# KiCad board PacificSound.kicad_pcb
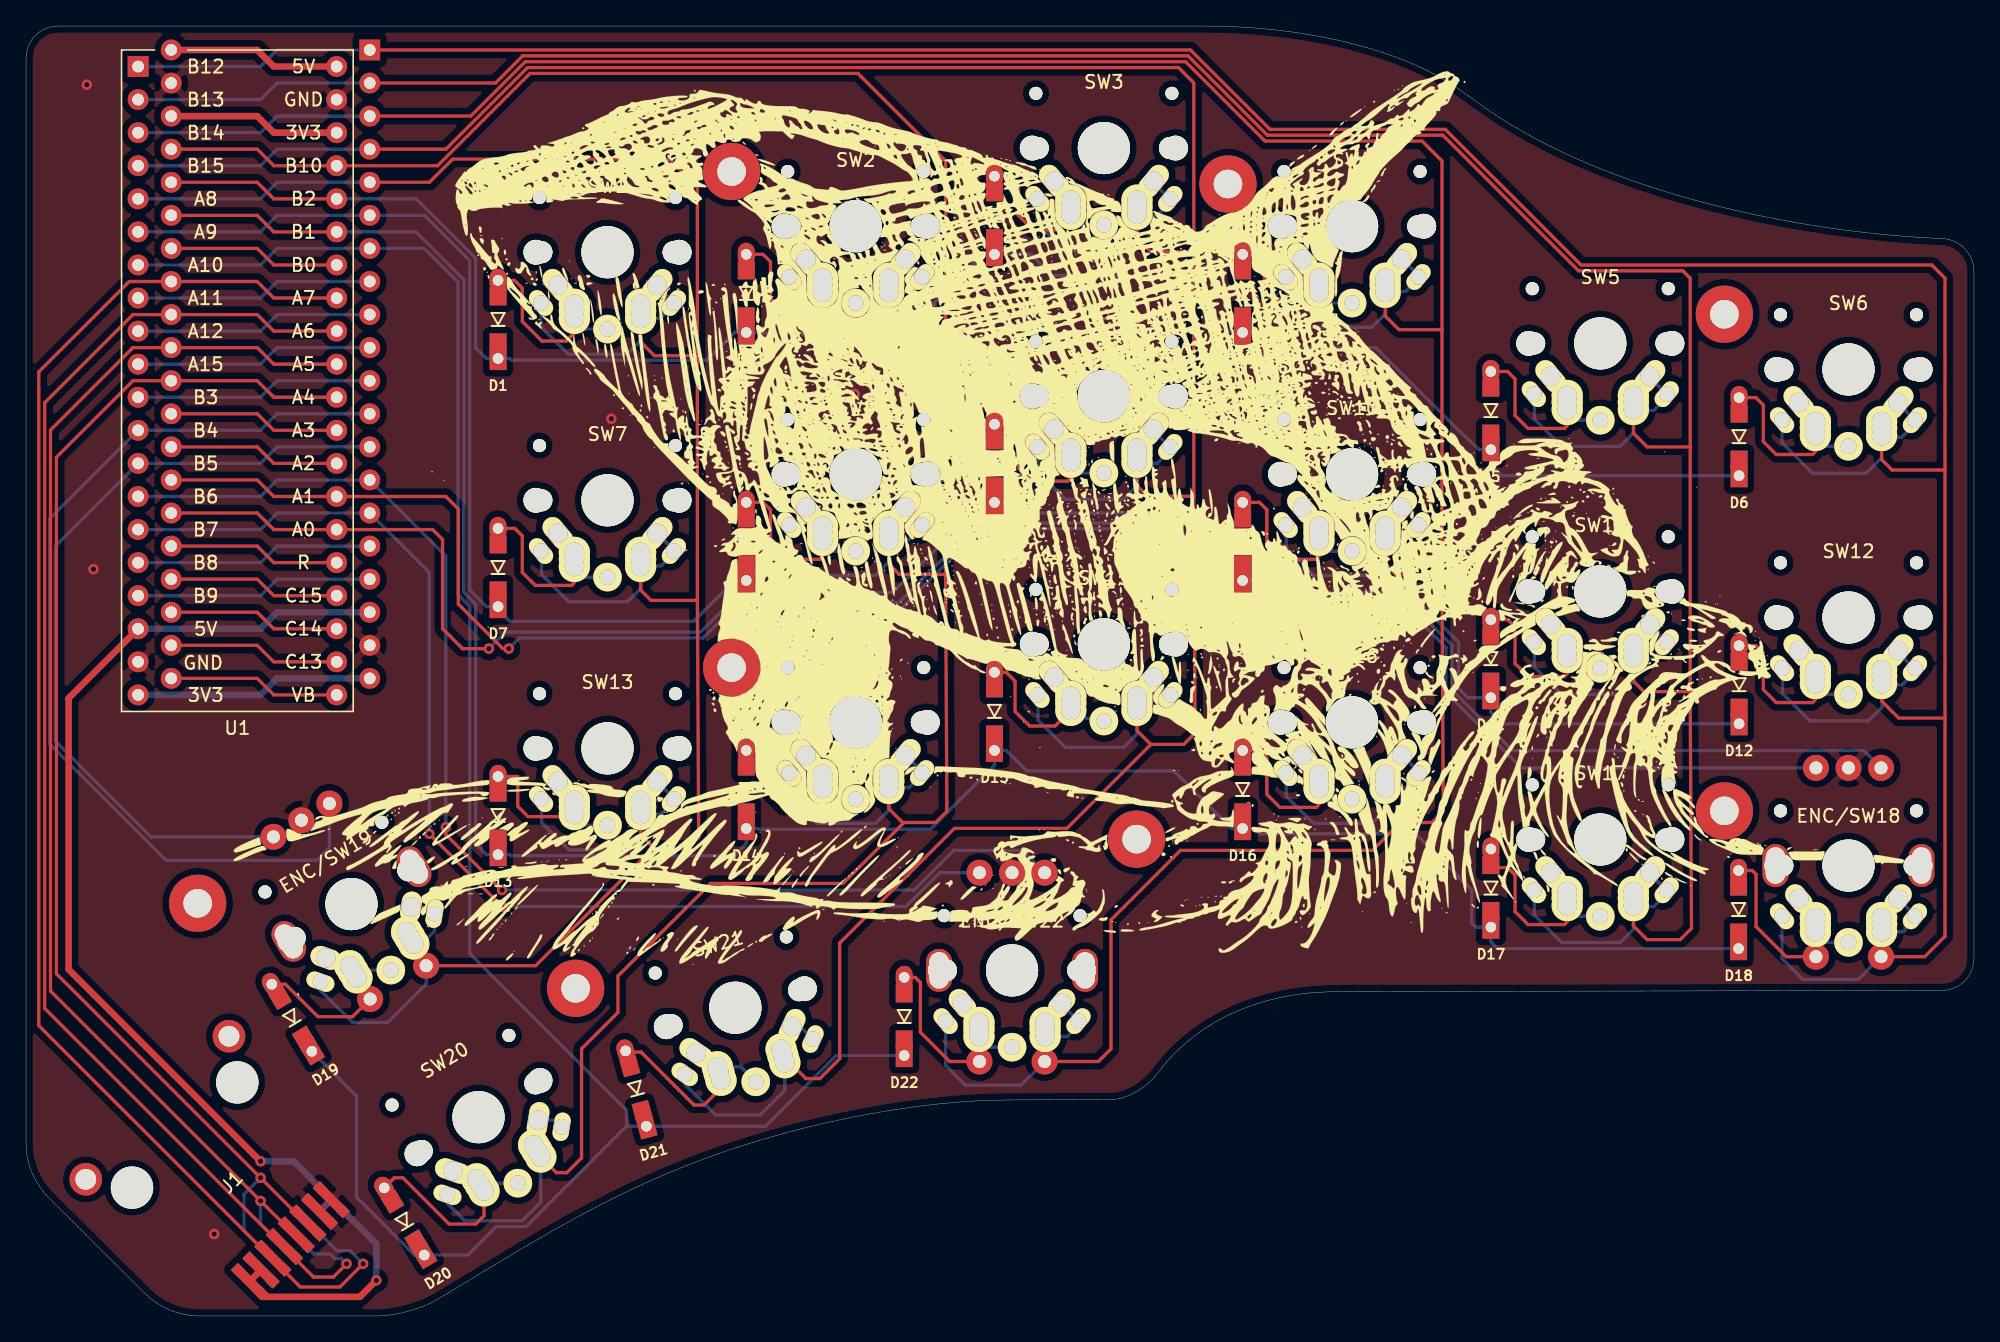
[diagram p0: board, top side]
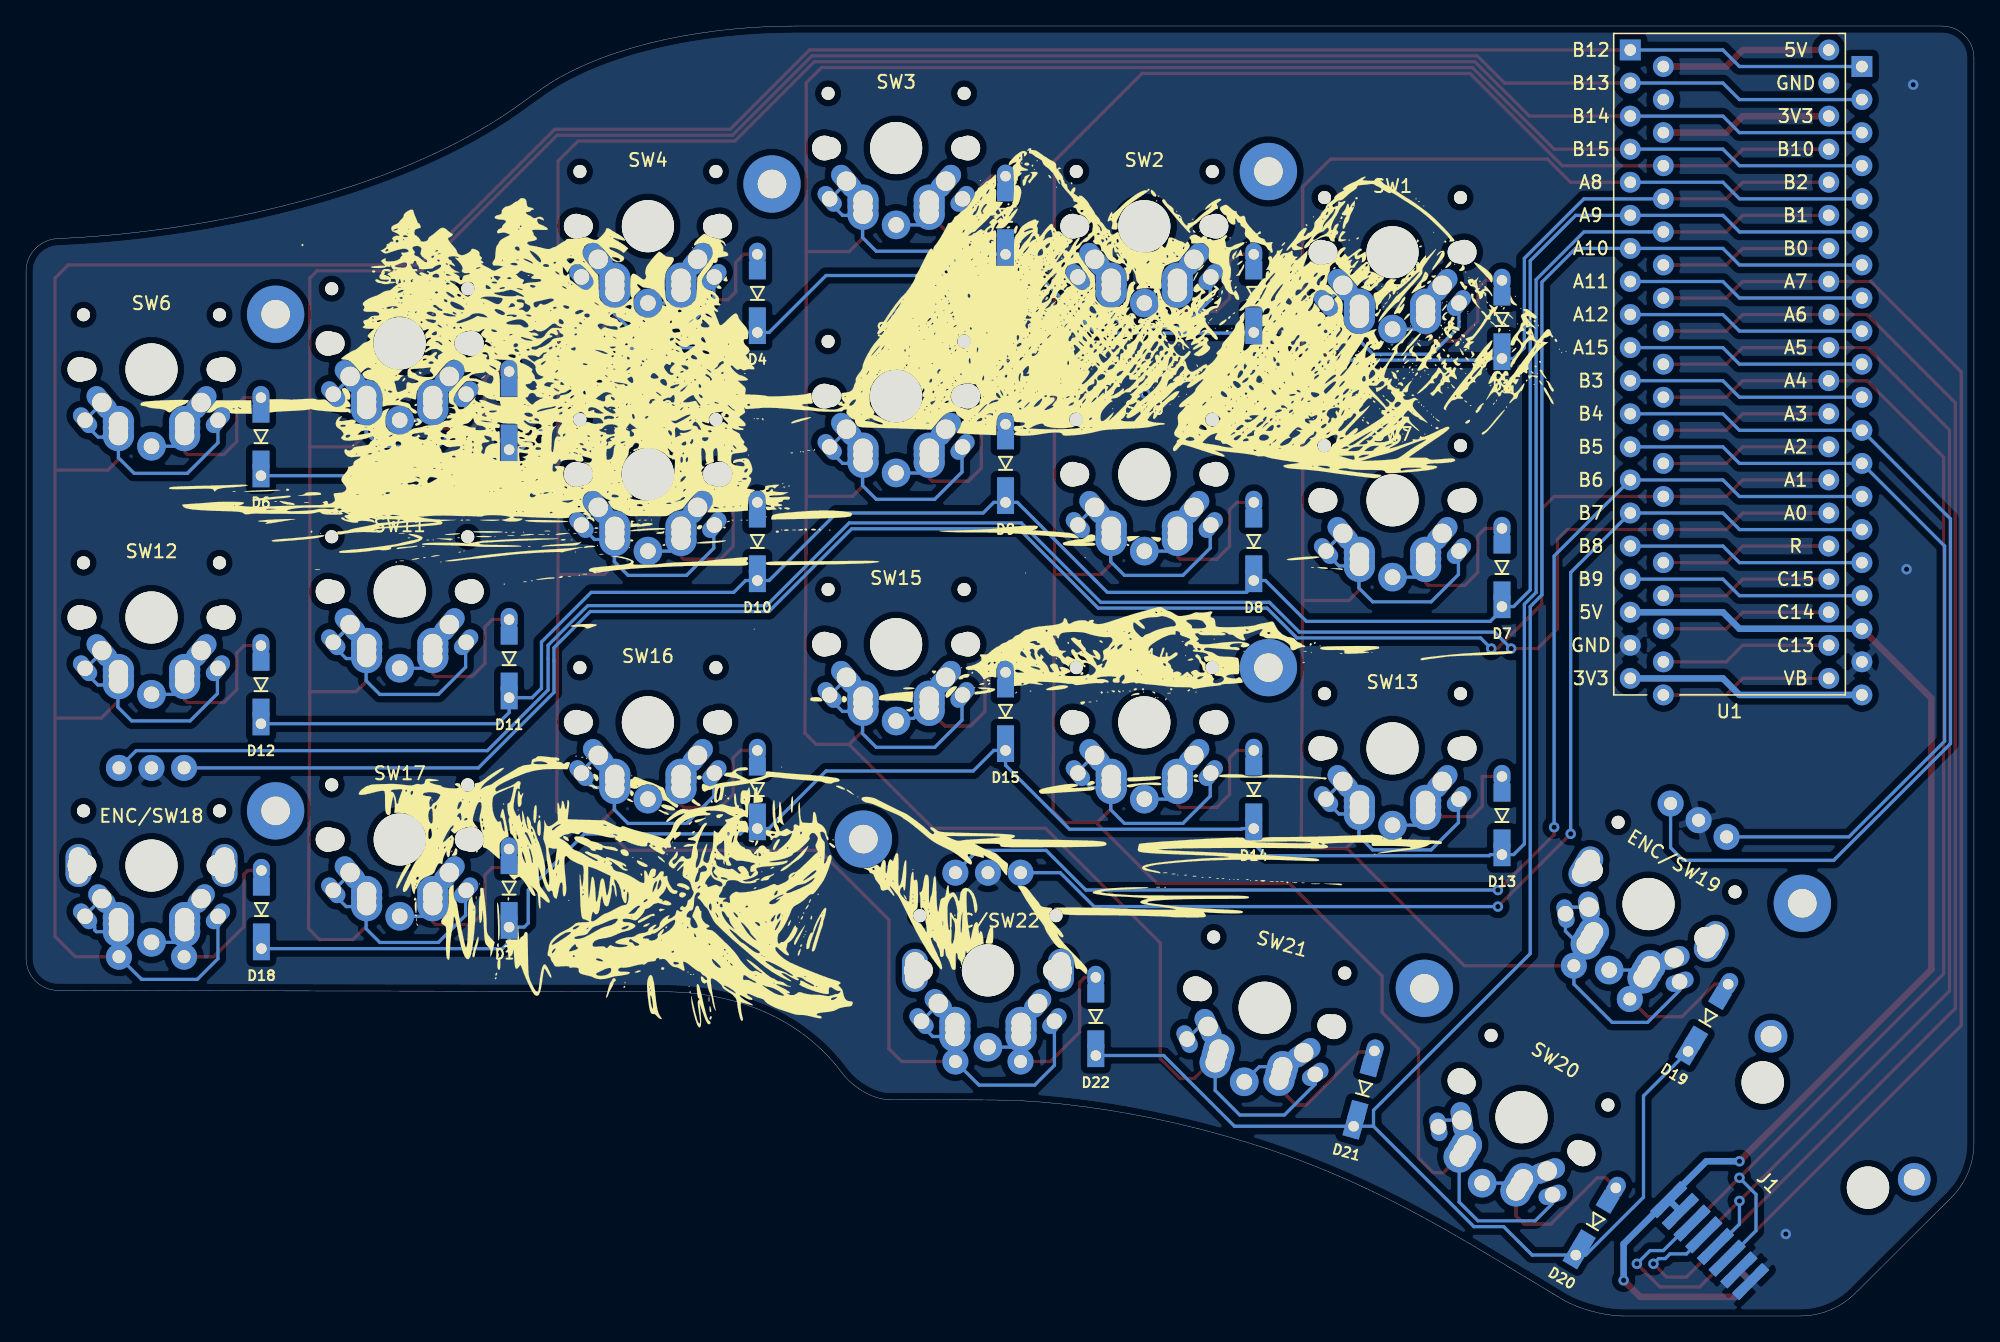
[diagram p1: board, bottom side, seen from below]

Outline 149.51 x 99.06 mm; copper layers: Top, Bottom. Coordinates in mm from the lower left corner of the outline.
Outline path: 0,96.6 0,13.28 ; 1.74,9.09 9.12,1.73 ; 13.32,0 27,0 ; 90.45,99.06 2.46,99.06 ; 149.51,27.46 149.51,80.24

## Placement (name value [footprint] x y rotation side)
D1  D  [D_TH_SMD]  36.23 73.99 0 top
D2  D  [D_TH_SMD]  55.28 75.99 0 top
D3  D  [D_TH_SMD]  74.33 81.99 0 top
D4  D  [D_TH_SMD]  93.38 75.99 0 top
D5  D  [D_TH_SMD]  112.43 66.99 0 top
D6  D  [D_TH_SMD]  131.48 64.99 0 top
D7  D  [D_TH_SMD]  36.23 54.94 0 top
D8  D  [D_TH_SMD]  55.28 56.94 0 top
D9  D  [D_TH_SMD]  74.33 62.94 0 top
D10  D  [D_TH_SMD]  93.38 56.94 0 top
D11  D  [D_TH_SMD]  112.43 47.94 0 top
D12  D  [D_TH_SMD]  131.48 45.94 0 top
D13  D  [D_TH_SMD]  36.23 35.89 0 top
D14  D  [D_TH_SMD]  55.28 37.89 0 top
D15  D  [D_TH_SMD]  74.33 43.89 0 top
D16  D  [D_TH_SMD]  93.38 37.89 0 top
D17  D  [D_TH_SMD]  112.43 30.32 0 top
D18  D  [D_TH_SMD]  131.44 28.67 0 top
D19  D  [D_TH_SMD]  21.7 20.72 30.8 top
D20  D  [D_TH_SMD]  30.33 5.07 30.8 top
D21  D  [D_TH_SMD]  47.49 15.01 15.4 top
D22  D  [D_TH_SMD]  67.4 20.46 0 top
H1  M2  [MountingHole_2.2mm_M2_Pad]  54.15 87.89 0 top
H2  M2  [MountingHole_2.2mm_M2_Pad]  92.25 86.93 0 top
H3  M2  [MountingHole_2.2mm_M2_Pad]  130.35 76.93 0 top
H4  M2  [MountingHole_2.2mm_M2_Pad]  130.35 38.79 0 top
H5  M2  [MountingHole_2.2mm_M2_Pad]  85.24 36.62 0 top
H6  M2  [MountingHole_2.2mm_M2_Pad]  54.15 49.79 0 top
H7  M2  [MountingHole_2.2mm_M2_Pad]  42.18 25.16 0 top
H8  M2  [MountingHole_2.2mm_M2_Pad]  13.17 31.69 0 top
H9  M2  [RightSideArt]  77.31 63.19 0 top
H10  M2  [LeftSideArt]  85.03 20.69 0 top
J1  8P8C  [GMX-SMT2-S-88]  20.28 5.78 45 top
SW1  SW_Push  [MX_ALPS_PG1350_noLed]  44.63 81.69 0 top
SW2  SW_Push  [MX_ALPS_PG1350_noLed]  63.68 83.69 0 top
SW3  SW_Push  [MX_ALPS_PG1350_noLed]  82.73 89.69 0 top
SW4  SW_Push  [MX_ALPS_PG1350_noLed]  101.78 83.69 0 top
SW5  SW_Push  [MX_ALPS_PG1350_noLed]  120.83 74.69 0 top
SW6  SW_Push  [MX_ALPS_PG1350_noLed]  139.88 72.69 0 top
SW7  SW_Push  [MX_ALPS_PG1350_noLed]  44.63 62.64 0 top
SW8  SW_Push  [MX_ALPS_PG1350_noLed]  63.68 64.64 0 top
SW9  SW_Push  [MX_ALPS_PG1350_noLed]  82.73 70.64 0 top
SW10  SW_Push  [MX_ALPS_PG1350_noLed]  101.78 64.64 0 top
SW11  SW_Push  [MX_ALPS_PG1350_noLed]  120.83 55.64 0 top
SW12  SW_Push  [MX_ALPS_PG1350_noLed]  139.88 53.64 0 top
SW13  SW_Push  [MX_ALPS_PG1350_noLed]  44.63 43.59 0 top
SW14  SW_Push  [MX_ALPS_PG1350_noLed]  63.68 45.59 0 top
SW15  SW_Push  [MX_ALPS_PG1350_noLed]  82.73 51.59 0 top
SW16  SW_Push  [MX_ALPS_PG1350_noLed]  101.78 45.59 0 top
SW17  SW_Push  [MX_ALPS_PG1350_noLed]  120.83 36.59 0 top
SW18  Rotary_Encoder_Switch  [MX_ALPS_PG1350_Rotary]  139.88 34.59 0 top
SW19  Rotary_Encoder_Switch  [MX_ALPS_PG1350_Rotary]  24.98 31.63 30.8 top
SW20  SW_Push  [MX_ALPS_PG1350_noLed]  34.73 15.27 30.8 top
SW21  SW_Push  [MX_ALPS_PG1350_noLed]  54.44 23.67 15.4 top
SW22  Rotary_Encoder_Switch  [MX_ALPS_PG1350_Rotary]  75.68 26.54 0 top
U1  Conn_02x20_Counter_Clockwise  [BlackPill]  8.6 95.95 0 top

## Footprints (pads in the part's own frame, mm; a bottom-side part is the same pattern mirrored in y, then rotated)
BlackPill
  rect 1.6x1.6 hole 0.9: 1(0,0) 1(17.78,1.27)
  round 1.6 hole 0.9: 2(0,-2.54) 2(17.78,-1.27) 3(0,-5.08) 3(17.78,-3.81) 4(0,-7.62) 4(17.78,-6.35) 5(0,-10.16) 5(17.78,-8.89) 6(0,-12.7) 6(17.78,-11.43) 7(0,-15.24) 7(17.78,-13.97) 8(0,-17.78) 8(17.78,-16.51) 9(0,-20.32) 9(17.78,-19.05) 10(0,-22.86) 10(17.78,-21.59) 11(0,-25.4) 11(17.78,-24.13) 12(0,-27.94) 12(17.78,-26.67) 13(0,-30.48) 13(17.78,-29.21) 14(0,-33.02) 14(17.78,-31.75) 15(0,-35.56) 15(17.78,-34.29) 16(0,-38.1) 16(17.78,-36.83) 17(0,-40.64) 17(17.78,-39.37) 18(0,-43.18) 18(17.78,-41.91) 19(0,-45.72) 19(17.78,-44.45) 20(0,-48.26) 20(17.78,-46.99) 21(2.54,-46.99) 21(15.24,-48.26) 22(2.54,-44.45) 22(15.24,-45.72) 23(2.54,-41.91) 23(15.24,-43.18) 24(2.54,-39.37) 24(15.24,-40.64) 25(2.54,-36.83) 25(15.24,-38.1) 26(2.54,-34.29) 26(15.24,-35.56) 27(2.54,-31.75) 27(15.24,-33.02) 28(2.54,-29.21) 28(15.24,-30.48) 29(2.54,-26.67) 29(15.24,-27.94) 30(2.54,-24.13) 30(15.24,-25.4) 31(2.54,-21.59) 31(15.24,-22.86) 32(2.54,-19.05) 32(15.24,-20.32) 33(2.54,-16.51) 33(15.24,-17.78) 34(2.54,-13.97) 34(15.24,-15.24) 35(2.54,-11.43) 35(15.24,-12.7) 36(2.54,-8.89) 36(15.24,-10.16) 37(2.54,-6.35) 37(15.24,-7.62) 38(2.54,-3.81) 38(15.24,-5.08) 39(2.54,-1.27) 39(15.24,-2.54) 40(2.54,1.27) 40(15.24,0)
D_TH_SMD
  rect 1.3x1.4 smd: 1(0,0.765) 2(0,4.315)
  rect 1.3x1.4 smd far side: 1(0,0.765) 2(0,4.315)
  rect 1.3x1.778 hole 0.813: 1(0,-0.46)
  oval 1.3x1.778 hole 0.813: 2(0,5.54)
GMX-SMT2-S-88
  round 2.5 hole 1.6: (-7.77,14.43) (7.77,14.43)
  round 3.25 hole 3.25 unplated: (-5.715,11.47) (5.715,11.47)
  rect 0.76x3.185 smd far side: 1(-4.445,0) 2(-3.175,0) 3(-1.905,0) 4(-0.635,0) 5(0.635,0) 6(1.905,0) 7(3.175,0) 8(4.445,0)
  rect 0.76x0.76 smd far side: 1(-4.445,1.27) 1(-4.445,-1.27) 2(-3.175,1.27) 2(-3.175,-1.27) 3(-1.905,1.27) 3(-1.905,-1.27) 4(-0.635,1.27) 4(-0.635,-1.27) 5(0.635,1.27) 5(0.635,-1.27) 6(1.905,1.27) 6(1.905,-1.27) 7(3.175,1.27) 7(3.175,-1.27) 8(4.445,1.27) 8(4.445,-1.27)
  rect 0.76x0.76 smd: 1(4.445,1.27) 1(4.445,-1.27) 2(3.175,1.27) 2(3.175,-1.27) 3(1.905,1.27) 3(1.905,-1.27) 4(0.635,1.27) 4(0.635,-1.27) 5(-0.635,1.27) 5(-0.635,-1.27) 6(-1.905,1.27) 6(-1.905,-1.27) 7(-3.175,1.27) 7(-3.175,-1.27) 8(-4.445,1.27) 8(-4.445,-1.27)
  rect 0.76x3.185 smd: 1(4.445,0) 2(3.175,0) 3(1.905,0) 4(0.635,0) 5(-0.635,0) 6(-1.905,0) 7(-3.175,0) 8(-4.445,0)
MountingHole_2.2mm_M2_Pad
  round 4.4 hole 2.2: 1(0,0)
MX_ALPS_PG1350_noLed
  round 1.9 hole 1.9 unplated: (-5.5,0) (5.5,0)
  round 1 hole 1 unplated: (-5.22,4.2) (5.22,4.2)
  round 1.7 hole 1.7 unplated: (-5.08,0) (5.08,0)
  round 4 hole 4 unplated: (0,0)
  oval 2.2x1.25 hole 1.2 rot 130: 1(-5.1,-3.9)
  round 2.4 hole 1.5: 1(2.54,-4) 1(2.54,-4.5) 1(2.54,-5.08) 2(-2.54,-4) 2(-2.54,-4.5) 2(-2.54,-5.08)
  oval 2.8x1.55 hole 1.5 rot 50: 1(3.81,-2.54)
  oval 2.2x1.25 hole 1.2 rot 50: 1(5.1,-3.9)
  oval 2.8x1.55 hole 1.5 rot 130: 2(-3.81,-2.54)
  round 2.2 hole 1.2: 2(0,-5.9)
MX_ALPS_PG1350_Rotary
  oval 2x3.3 hole 1.5x2.8 unplated: (-5.6,0) (5.6,0)
  round 1.9 hole 1.9 unplated: (-5.5,0) (5.5,0)
  round 1 hole 1 unplated: (-5.22,4.2) (5.22,4.2)
  round 1.7 hole 1.7 unplated: (-5.08,0) (5.08,0)
  round 4 hole 4 unplated: (0,0)
  round 2 hole 1: A(2.5,7.5) B(-2.5,7.5) C(0,7.5) S1(2.5,-7) S2(-2.5,-7)
  oval 2.2x1.25 hole 1.2 rot 130: S1(-5.1,-3.9)
  round 2.4 hole 1.5: S1(2.54,-4) S1(2.54,-4.5) S1(2.54,-5.08) S2(-2.54,-4) S2(-2.54,-4.5) S2(-2.54,-5.08)
  oval 2.4x1.55 hole 1.5 rot 50: S1(3.81,-2.54)
  oval 2.2x1.25 hole 1.2 rot 50: S1(5.1,-3.9)
  oval 2.4x1.55 hole 1.5 rot 130: S2(-3.81,-2.54)
  round 2.2 hole 1.2: S2(0,-5.9)

## Nets
+3V3: U1.20 U1.38
+5V: J1.7 J1.8 U1.18 U1.40
GND: J1.1 J1.2 SW18.C SW19.C SW22.C U1.19 U1.39
A0: SW18.A U1.26
A1: SW18.B U1.27
A2: U1.28
A3: U1.29
A4: J1.3 U1.30
A5: J1.4 U1.31
A6: J1.5 U1.32
A7: J1.6 U1.33
A8: SW1.1 SW7.1 SW13.1 SW19.S1 U1.5
A9: D7.1 D8.1 D9.1 D10.1 D11.1 D12.1 U1.6
A10: D19.1 D20.1 D21.1 D22.1 U1.7
A11: U1.8
A12: U1.9
A15: U1.10
B0: U1.34
B1: D13.1 D14.1 D15.1 D16.1 D17.1 D18.1 U1.35
B2: D1.1 D2.1 D3.1 D4.1 D5.1 D6.1 U1.36
B3: U1.11
B4: SW19.A U1.12
B5: SW19.B U1.13
B6: SW22.A U1.14
B7: SW22.B U1.15
B8: U1.16
B9: U1.17
B10: SW2.1 SW8.1 SW14.1 SW20.1 U1.37
B12: SW6.1 SW12.1 SW18.S1 U1.1
B13: SW5.1 SW11.1 SW17.1 U1.2
B14: SW4.1 SW10.1 SW16.1 SW22.S1 U1.3
B15: SW3.1 SW9.1 SW15.1 SW21.1 U1.4
Net-(D1-Pad2): D1.2 SW1.2
Net-(D2-Pad2): D2.2 SW2.2
Net-(D3-Pad2): D3.2 SW3.2
Net-(D4-Pad2): D4.2 SW4.2
Net-(D5-Pad2): D5.2 SW5.2
Net-(D6-Pad2): D6.2 SW6.2
Net-(D7-Pad2): D7.2 SW7.2
Net-(D8-Pad2): D8.2 SW8.2
Net-(D9-Pad2): D9.2 SW9.2
Net-(D10-Pad2): D10.2 SW10.2
Net-(D11-Pad2): D11.2 SW11.2
Net-(D12-Pad2): D12.2 SW12.2
Net-(D13-Pad2): D13.2 SW13.2
Net-(D14-Pad2): D14.2 SW14.2
Net-(D15-Pad2): D15.2 SW15.2
Net-(D16-Pad2): D16.2 SW16.2
Net-(D17-Pad2): D17.2 SW17.2
Net-(D18-Pad2): D18.2 SW18.S2
Net-(D19-Pad2): D19.2 SW19.S2
Net-(D20-Pad2): D20.2 SW20.2
Net-(D21-Pad2): D21.2 SW21.2
Net-(D22-Pad2): D22.2 SW22.S2
Net-(U1-Pad21): U1.21
Net-(U1-Pad22): U1.22
Net-(U1-Pad23): U1.23
Net-(U1-Pad24): U1.24
Net-(U1-Pad25): U1.25

Pads without a net: H1 1; H2 1; H3 1; H4 1; H5 1; H6 1; H7 1; H8 1

## Via types
v1: diameter 0.8, hole 0.4, Top to Bottom, 18 vias

## Routing (per net, layer and track width the routed paths; a pad name or vN(x,y) marks a point on that pad's centre or on a via; arc(x,y) is an arc through that point)
+3V3: length 31.5
  Top w0.5: U1.38 17.74,92.14 19.01,90.87 U1.38
  Bottom w0.5: U1.20 18,47.69 19.27,48.96 U1.20
+5V: length 108.4
  Top w0.5: U1.40 19.01,95.95 17.74,97.22 U1.40 ; U1.18 3.27,47.44 3.27,26.61 v1(18,11.88) ; v1(26.89,2.74) 25.62,1.47 18.25,1.47 17.14,2.58 J1.8 J1.7
  Bottom w0.5: U1.18 18,52.77 19.27,54.04 U1.18 ; J1.8 23.43,8.99 20.54,11.88 v1(18,11.88) ; J1.8 23.49,8.93 26.89,5.53 v1(26.89,2.74) ; J1.8 J1.7
GND:
  vias: v1(4.66,94.56) v1(5.17,57.35) v1(14.44,6.29) v1(44.92,68.9) v1(63.59,70.81) v1(82.77,76.9)
A0: length 153.4
  Top w0.25: U1.26 17.74,61.66 19.01,60.39 U1.26 31.21,60.39 31.97,59.63 31.97,52.77 33.49,51.25 v1(35.52,51.25)
  Bottom w0.25: SW18.A 141.05,43.42 114.09,43.42 109.44,48.07 109.44,51.5 106.39,54.55 92.67,54.55 86.32,60.9 73.12,60.9 67.02,54.81 54.07,54.81 51.78,52.52 36.79,52.52 v1(35.52,51.25)
A1: length 149.3
  Top w0.25: U1.27 17.74,64.2 19.01,62.93 U1.27 32.22,62.93 33.18,61.98 33.18,54.67 36.6,51.25 v1(37.05,51.25)
  Bottom w0.25: v1(37.05,51.25) 37.87,52.07 51.97,52.07 54.25,54.36 67.21,54.36 73.3,60.45 86.14,60.45 92.49,54.1 106.2,54.1 108.99,51.32 108.99,47.89 114.78,42.09 SW18.B
A2: length 13.2
  Top w0.25: U1.28 19.01,65.47 17.74,66.74 U1.28
A3: length 13.2
  Top w0.25: U1.29 19.01,68.01 17.74,69.28 U1.29
A4: length 99.3
  Top w0.25: U1.30 19.01,70.55 17.74,71.82 U1.30 8.2,71.82 2.33,65.95 2.33,26.28 21.48,7.13 J1.3 21.63,7.23
  Bottom w0.25: v1(18,10.61) 16.73,9.34 16.73,6.55 18.84,4.44 J1.3 18.94,4.59
A5: length 99.2
  Top w0.25: U1.31 19.01,73.09 17.74,74.36 U1.31 8.2,74.36 1.88,68.04 1.88,24.95 20.6,6.23 J1.4
  Bottom w0.25: v1(18,8.83) 18,7.05 19.72,5.33 J1.4 19.83,5.22
A6: length 109.3
  Top w0.25: U1.32 19.01,75.63 17.74,76.9 U1.32 8.2,76.9 1.43,70.13 1.43,23.62 19.72,5.33 J1.5 19.83,5.22 22.06,2.99 23.59,2.99 v1(24.6,4.01)
  Bottom w0.25: J1.5 20.73,6.1 22.06,4.77 23.33,4.77 23.69,4.41 24.2,4.41 v1(24.6,4.01)
A7: length 116
  Top w0.25: v1(25.87,4.01) 24.09,2.23 21.05,2.23 18.94,4.34 J1.6 18.84,4.44 0.98,22.29 0.98,72.51 7.91,79.44 U1.33 17.74,79.44 19.01,78.17 U1.33
  Bottom w0.25: J1.6 21.73,7.13 23.84,5.02 24.86,5.02 v1(25.87,4.01)
A8: length 209.3
  Top w0.25: 51.53,54.95 51.53,73.74 ; 51.53,54.95 51.63,36.76 50.76,35.9 48.22,35.9 ; 51.53,54.95 47.97,54.95 47.17,55.75 SW7.1 ; 51.53,73.74 48.22,73.74 47.17,74.8 SW1.1 ; 51.53,73.74 51.53,86.7 49.38,88.84 32.73,88.84 30.96,87.06 U1.5 ; 48.22,35.9 47.17,36.95 SW13.1 ; 48.22,35.9 48.11,35.9 39.11,26.9 SW19.S1
  Bottom w0.25: 39.57,39.73 39.57,37.89 41.66,35.79 46.15,35.79 47.21,36.85 47.21,38.55 48.73,38.55 49.77,39.58 ; 39.57,58.78 39.57,56.94 41.66,54.84 46.15,54.84 47.21,55.9 47.21,57.6 48.73,57.6 49.77,58.63 ; 48.48,41.02 49.77,39.73 ; 48.48,60.07 49.77,58.78 ; U1.5 18,85.79 19.27,87.06 U1.5 ; SW19.S1 30.37,28.57 31.35,29.55 SW19.S1 30.85,31.4 SW19.S1 ; SW19.S1 30.71,25.48 27.77,22.55 25.05,22.55 22.59,25.01 SW19.S1 ; SW1.1 39.53,75.95 41.62,73.86 46.11,73.86 47.17,74.91 SW1.1 48.69,76.61 49.73,77.65 SW1.1 48.44,79.08 SW1.1
A9: length 166
  Bottom w0.25: 67.53,56.58 67.37,56.43 ; 67.53,56.58 73.43,62.48 D9.1 75.23,62.48 76.04,61.66 87.29,61.66 92.48,56.48 D10.1 94.28,56.48 95.19,55.57 106.14,55.57 109.95,51.76 109.95,48.2 110.67,47.48 D11.1 112.43,46.34 113.29,45.48 D12.1 ; 67.53,56.58 66.51,55.57 55.84,55.57 55.28,56.13 D8.1 54.38,56.48 51.24,53.34 37.13,53.34 36.23,54.24 D7.1 35.33,54.48 34.06,55.75 34.06,81.04 30.57,84.52 U1.6 19.27,84.52 18,83.25 U1.6
A10: length 159.2
  Bottom w0.25: U1.7 18,80.71 19.27,81.98 U1.7 30.57,81.98 33.16,79.4 33.16,55.38 34.06,54.48 34.06,27.82 46.09,15.8 46.09,14.57 ; 46.09,14.57 38.38,6.86 36.09,6.86 33.91,4.68 D20.1 29.81,4.68 25.36,9.12 25.36,16.89 D19.1 ; 46.09,14.57 D21.1 56.75,14.57 62.19,20 D22.1
A11: length 18.3
  Bottom w0.25: U1.8 18,78.17 19.27,79.44 U1.8
A12: length 18.3
  Bottom w0.25: U1.9 18,75.63 19.27,76.9 U1.9
A15: length 18.3
  Bottom w0.25: U1.10 18,73.09 19.27,74.36 U1.10
B0: length 13.2
  Top w0.25: U1.34 19.01,80.71 17.74,81.98 U1.34
B1: length 178.7
  Top w0.25: U1.35 17.74,84.52 19.01,83.25 U1.35
  Bottom w0.25: U1.35 29.94,83.25 33.61,79.58 33.61,55.56 34.51,54.66 34.51,36.25 35.33,35.43 D13.1 37.13,35.43 37.21,35.34 54.33,35.34 55.28,36.29 D14.1 56.18,37.43 56.23,37.38 69.41,37.38 74.33,42.29 D15.1 75.23,43.43 76.81,41.85 88.1,41.85 91.91,38.04 92.48,37.43 D16.1 94.28,37.43 94.68,37.03 106.64,37.03 110.96,32.71 110.96,30.17 111.27,29.86 D17.1 112.43,28.72 112.94,28.21 D18.1
B2: length 141.1
  Top w0.25: U1.36 17.74,87.06 19.01,85.79 U1.36
  Bottom w0.25: D6.1 113.29,64.53 112.43,65.39 D5.1 111.53,66.53 109.69,68.27 103.6,74.36 95.44,74.36 94.28,75.53 D4.1 92.48,75.53 88.1,79.91 78.75,79.91 77.12,81.53 D3.1 73.43,81.53 67.37,75.48 56.23,75.48 56.18,75.53 D2.1 54.38,75.53 52.25,73.41 37.25,73.41 37.13,73.53 D1.1 35.33,73.53 34.51,74.35 34.51,81.22 29.94,85.79 U1.36
B3: length 18.3
  Bottom w0.25: U1.11 18,70.55 19.27,71.82 U1.11
B4: length 74.2
  Bottom w0.25: U1.12 19.27,69.28 18,68.01 U1.12 1.8,61.21 1.8,43.95 10.76,34.99 22.32,34.99 23.28,35.96 SW19.A
B5: length 62.1
  Bottom w0.25: U1.13 19.27,66.74 18,65.47 U1.13 2.25,59.12 2.25,44.14 9.59,36.79 SW19.B
B6: length 97.7
  Top w0.25: v1(32.22,37.53) 32.22,36.97 36.48,32.71 v1(36.54,32.71)
  Bottom w0.25: U1.14 18,62.93 19.27,64.2 U1.14 32.22,58.36 v1(32.22,37.53) ; SW22.A 76.46,35.76 71.21,35.76 68.16,32.71 v1(36.54,32.71)
B7: length 90.5
  Top w0.25: v1(30.95,37.03) v1(36.54,31.44)
  Bottom w0.25: U1.15 18,60.39 19.27,61.66 U1.15 30.95,57.09 v1(30.95,37.03) ; SW22.B 70.13,34.04 67.53,31.44 v1(36.54,31.44)
B8: length 18.3
  Bottom w0.25: U1.16 18,57.85 19.27,59.12 U1.16
B9: length 18.3
  Bottom w0.25: U1.17 18,55.31 19.27,56.58 U1.17
B10: length 251.1
  Top w0.25: 70.58,56.95 70.58,75.74 ; 70.58,56.95 70.68,38.76 69.81,37.9 67.27,37.9 ; 70.58,56.95 67.02,56.95 66.22,57.75 SW8.1 ; 70.58,75.74 67.27,75.74 66.22,76.8 SW2.1 ; 70.58,75.74 70.58,88.7 63.85,95.42 38.68,95.42 31.59,88.33 U1.37 19.01,88.33 17.74,89.6 U1.37 ; 67.27,37.9 66.22,38.95 SW14.1 ; 67.27,37.9 67.27,37.79 62.7,33.22 52.54,33.22 45.43,26.1 45.43,23.31 42.64,20.52 42.64,12.13 41.5,11 40.71,11 SW20.1
  Bottom w0.25: 58.62,41.76 58.62,39.92 60.71,37.83 65.2,37.83 66.26,38.88 66.26,40.58 67.78,40.58 68.82,41.62 ; 58.62,60.81 58.62,58.97 60.71,56.88 65.2,56.88 66.26,57.93 66.26,59.63 67.78,59.63 68.82,60.67 ; 58.62,79.86 58.62,78.02 60.71,75.93 65.2,75.93 66.26,76.98 66.26,78.68 67.78,78.68 68.82,79.72 ; 67.53,43.05 68.82,41.76 ; 67.53,62.1 68.82,60.81 ; 67.53,81.15 68.82,79.86 ; SW20.1 39.51,8.75 38.06,7.31 33.68,7.31 32.34,8.64 SW20.1 ; SW20.1 40.6,15.03 SW20.1
B12: length 271.4
  Top w0.25: U1.1 89.37,97.22 95.47,91.13 108.93,91.13 119.34,80.71 146.27,80.71 147.28,79.7 147.28,64.97 ; 147.28,45.92 147.28,29.15 145.72,27.59 SW18.S1 ; 147.28,45.92 143.73,45.92 142.42,47.23 SW12.1 ; 147.28,45.92 147.28,64.97 ; 147.28,64.97 143.22,64.97 142.42,65.77 SW6.1
  Bottom w0.25: 134.82,49.64 134.82,47.79 136.91,45.7 141.4,45.7 142.46,46.76 142.46,48.46 143.98,48.46 145.02,49.49 ; 143.73,50.93 145.02,49.64 ; SW18.S1 134.78,27.43 136.36,25.85 140.64,25.85 SW18.S1 ; SW6.1 134.78,67.06 137.12,64.71 141.21,64.71 142.42,65.91 SW6.1 ; SW18.S1 144.11,29.51 144.24,29.63 144.24,29.91 144.98,30.66 SW18.S1 144.98,30.76 SW18.S1 ; SW12.1 143.69,51.03 ; U1.1 18,95.95 19.27,97.22 U1.1 ; SW6.1 143.69,70.08 SW6.1 144.98,68.5 143.97,67.49 143.62,67.49 SW6.1
B13: length 254.5
  Top w0.25: 127.73,47.95 124.17,47.95 123.37,48.75 SW11.1 ; 127.73,47.95 127.83,29.76 126.96,28.9 124.42,28.9 123.37,29.95 SW17.1 ; 127.73,47.95 127.73,66.74 ; U1.2 36.03,94.68 38.12,96.77 89.18,96.77 95.28,90.68 108.74,90.68 119.16,80.26 127.16,80.26 127.73,79.7 127.73,66.74 ; 127.73,66.74 124.42,66.74 123.37,67.8 SW5.1
  Bottom w0.25: 115.77,32.62 115.77,30.78 117.86,28.68 122.35,28.68 123.41,29.74 123.41,31.44 124.93,31.44 125.97,32.47 ; 115.77,51.67 115.77,49.83 117.86,47.73 122.35,47.73 123.41,48.79 123.41,50.49 124.93,50.49 125.97,51.52 ; 115.77,70.72 115.77,68.88 117.86,66.78 122.35,66.78 123.41,67.84 123.41,69.54 124.93,69.54 125.97,70.57 ; 124.68,33.91 125.97,32.62 ; 124.68,52.96 125.97,51.67 ; 124.68,72.01 125.97,70.72 ; U1.2 19.27,94.68 18,93.41 U1.2 ; SW11.1 124.64,53.03 SW11.1
B14: length 288.7
  Top w0.25: 108.68,56.95 108.68,75.74 ; 108.68,56.95 108.78,38.76 107.91,37.9 105.37,37.9 ; 108.68,56.95 105.12,56.95 104.32,57.75 SW10.1 ; 108.68,75.74 105.37,75.74 104.32,76.8 SW4.1 ; 108.68,75.74 108.68,88.7 107.15,90.23 95.09,90.23 89,96.32 38.31,96.32 34.13,92.14 U1.3 ; 105.37,37.9 104.32,38.95 SW16.1 ; 105.37,37.9 105.37,37.79 103.34,35.76 88.61,35.76 83.28,30.42 83.28,20.52 82.3,19.54 SW22.S1
  Bottom w0.25: 96.72,41.76 96.72,39.92 98.81,37.83 103.3,37.83 104.36,38.88 104.36,40.58 105.88,40.58 106.92,41.62 ; 96.72,60.81 96.72,58.97 98.81,56.88 103.3,56.88 104.36,57.93 104.36,59.63 105.88,59.63 106.92,60.67 ; 96.72,79.86 96.72,78.02 98.81,75.93 103.3,75.93 104.36,76.98 104.36,78.68 105.88,78.68 106.92,79.72 ; 105.63,43.05 106.92,41.76 ; 105.63,62.1 106.92,60.81 ; 105.63,81.15 106.92,79.86 ; U1.3 19.27,92.14 18,90.87 U1.3 ; SW22.S1 79.91,21.46 80.78,22.32 SW22.S1 79.49,23.93 SW22.S1 ; SW22.S1 70.58,21.73 70.58,21.73 70.58,19.25 72.1,17.72 76.36,17.72 SW22.S1
B15: length 268.8
  Top w0.25: 89.63,62.95 89.63,81.74 ; 89.63,62.95 89.73,44.76 88.86,43.9 86.32,43.9 ; 89.63,62.95 86.07,62.95 85.27,63.75 SW9.1 ; 89.63,81.74 86.32,81.74 85.27,82.8 SW3.1 ; 89.63,81.74 89.63,94.7 88.45,95.87 38.49,95.87 32.22,89.6 U1.4 ; 86.32,43.9 85.27,44.95 SW15.1 ; 86.32,43.9 86.32,43.88 79.89,37.45 71.25,37.45 62.45,28.64 62.45,19.75 60.92,18.23 59.86,18.23 SW21.1
  Bottom w0.25: 77.67,47.6 77.67,45.76 79.76,43.67 84.25,43.67 85.31,44.73 85.31,46.42 86.83,46.42 87.87,47.46 ; 77.67,66.65 77.67,64.81 79.76,62.72 84.25,62.72 85.31,63.78 85.31,65.47 86.83,65.47 87.87,66.51 ; 77.67,85.7 77.67,83.86 79.76,81.77 84.25,81.77 85.31,82.83 85.31,84.52 86.83,84.52 87.87,85.56 ; 86.58,48.89 87.87,47.6 ; 86.58,67.94 87.87,66.65 ; 86.58,86.99 87.87,85.7 ; U1.4 19.27,89.6 18,88.33 U1.4 ; SW21.1 50.56,17.8 52.92,15.44 56.35,15.44 58.24,17.32 SW21.1 ; SW21.1 59.42,22.23 SW21.1
Net-(D1-Pad2): length 14.1
  Top w0.25: D1.2 37.48,79.53 38.09,78.93 38.09,76.37 39.59,74.87 41.46,74.87 42.09,75.49 SW1.2
  Bottom w0.25: SW1.2 42.91,75.79 SW1.2
Net-(D2-Pad2): length 14.8
  Top w0.25: D2.2 56.57,81.53 57.14,80.96 57.14,78.15 58.13,77.16 60.92,77.16 61.14,77.37 SW2.2
  Bottom w0.25: SW2.2 62.28,79.19 SW2.2
Net-(D3-Pad2): length 12.3
  Top w0.25: SW3.2 78.99,83.41 77.28,83.41 76.16,84.52 76.16,86.81 75.44,87.53 D3.2
  Bottom w0.25: SW3.2 81.01,83.79 SW3.2
Net-(D4-Pad2): length 14.3
  Top w0.25: D4.2 94.41,81.53 95.05,80.9 95.05,78.64 95.64,78.04 97.59,78.04 SW4.2
  Bottom w0.25: SW4.2 100.06,77.79 SW4.2 ; SW4.2 97.97,80.96 SW4.2 ; D4.2 93.38,80.23
Net-(D5-Pad2): length 12.3
  Top w0.25: D5.2 113.72,72.53 114.29,71.96 114.29,69.15 115.28,68.16 118.07,68.16 118.29,68.37
  Bottom w0.25: SW5.2 119.11,68.79 SW5.2
Net-(D6-Pad2): length 12.3
  Top w0.25: D6.2 132.77,70.53 133.34,69.96 133.34,67.15 134.33,66.16 137.12,66.16 137.34,66.37
  Bottom w0.25: SW6.2 138.16,66.79 SW6.2
Net-(D7-Pad2): length 12.3
  Top w0.25: D7.2 37.52,60.48 38.09,59.91 38.09,57.1 39.08,56.11 41.87,56.11 42.09,56.32
  Bottom w0.25: SW7.2 42.91,56.74 SW7.2
Net-(D8-Pad2): length 13
  Top w0.25: D8.2 56.57,62.48 57.14,61.91 57.14,59.1 58.13,58.11 60.92,58.11 61.14,58.32 ; 60.63,59.05 SW8.2
  Bottom w0.25: SW8.2 61.96,58.74 SW8.2
Net-(D9-Pad2): length 12.3
  Top w0.25: D9.2 75.62,68.48 76.19,67.91 76.19,65.1 77.18,64.11 79.97,64.11 80.19,64.32
  Bottom w0.25: SW9.2 81.01,64.74 SW9.2
Net-(D10-Pad2): length 12.3
  Top w0.25: D10.2 94.67,62.48 95.24,61.91 95.24,59.1 96.23,58.11 99.02,58.11 99.24,58.32
  Bottom w0.25: SW10.2 100.06,58.74 SW10.2
Net-(D11-Pad2): length 12.3
  Top w0.25: D11.2 113.72,53.48 114.29,52.91 114.29,50.1 115.28,49.11 118.07,49.11 118.29,49.32
  Bottom w0.25: SW11.2 119.11,49.74 SW11.2
Net-(D12-Pad2): length 12.3
  Top w0.25: D12.2 132.77,51.48 133.34,50.91 133.34,48.1 134.33,47.11 137.12,47.11 137.34,47.32
  Bottom w0.25: SW12.2 138.16,47.74 SW12.2
Net-(D13-Pad2): length 11.9
  Top w0.25: D13.2 37.74,41.43 37.74,39.14 38.54,38.35 40.84,38.35 SW13.2
  Bottom w0.25: SW13.2 42.91,37.69 SW13.2
Net-(D14-Pad2): length 12.3
  Top w0.25: D14.2 56.57,43.43 57.14,42.86 57.14,40.05 58.13,39.06 60.92,39.06 61.14,39.27
  Bottom w0.25: SW14.2 61.96,39.69 SW14.2
Net-(D15-Pad2): length 12.5
  Top w0.25: SW15.2 78.99,45.31 77.02,45.31 75.91,46.42 75.91,48.75 75.23,49.43 D15.2
  Bottom w0.25: SW15.2 81.39,45.89 82.53,45.89 SW15.2
Net-(D16-Pad2): length 12.3
  Top w0.25: D16.2 94.67,43.43 95.24,42.86 95.24,40.05 96.23,39.06 99.02,39.06 99.24,39.27
  Bottom w0.25: SW16.2 100.06,39.69 SW16.2
Net-(D17-Pad2): length 12.3
  Top w0.25: 112.43,34.43 113.72,34.43 114.29,33.86 114.29,31.05 115.28,30.06 118.07,30.06 118.29,30.27
  Bottom w0.25: SW17.2 119.11,30.69 SW17.2
Net-(D18-Pad2): length 13.9
  Top w0.25: D18.2 132.48,34.21 132.78,33.91 132.78,29.9 135.09,27.59 SW18.S2
  Bottom w0.25: SW18.S2 138.16,28.69 SW18.S2
Net-(D19-Pad2): length 12
  Top w0.25: SW19.S2 25.06,22.98 22.4,22.98 19.91,25.47 D19.2
  Bottom w0.25: SW19.S2 25.99,26.56 SW19.S2
Net-(D20-Pad2): length 14.5
  Top w0.25: D20.2 28.27,10.61 28.92,10.61 32.48,7.05 34.51,7.05 35.15,7.69 SW20.2
  Bottom w0.25: SW20.2 35.74,10.2 SW20.2
Net-(D21-Pad2): length 15.4
  Top w0.25: D21.2 46.35,20.35 46.45,20.26 47.21,20.26 51.27,16.2 52.03,16.2 53.05,17.22 SW21.2
  Bottom w0.25: SW21.2 50.82,20.21 50.67,20.35 ; SW21.2 54.85,19.14 SW21.2
Net-(D22-Pad2): length 15.5
  Top w0.25: SW22.S2 70.89,19.54 68.64,21.79 68.64,25.6 68.24,26 D22.2
  Bottom w0.25: SW22.S2 73.96,20.64 SW22.S2 73.18,21.42 SW22.S2
Net-(U1-Pad21): length 13.2
  Top w0.25: U1.21 17.74,48.96 19.01,47.69 U1.21
Net-(U1-Pad22): length 13.2
  Top w0.25: U1.22 17.74,51.5 19.01,50.23 U1.22
Net-(U1-Pad23): length 13.2
  Top w0.25: U1.23 17.74,54.04 19.01,52.77 U1.23
Net-(U1-Pad24): length 13.2
  Top w0.25: U1.24 17.74,56.58 19.01,55.31 U1.24
Net-(U1-Pad25): length 13.2
  Top w0.25: U1.25 17.74,59.12 19.01,57.85 U1.25

## Copper pours and planes (outline as drawn; the poured copper is in the pictures)
GND on Top: 151.86,-3.49 -0.93,-3.49 -0.93,99.64 151.86,99.64
GND on Bottom: 152.62,-4.12 -1.56,-4.12 -1.56,100.14 152.62,100.14
(no net) on Top: 152.87,-4.5 -1.69,-4.5 -1.69,100.4 152.87,100.4
(no net) on Bottom: 152.49,-3.74 -1.56,-3.74 -1.56,100.14 152.49,100.14
